# Altium PCB RK_NVR_DEMO1_RK3588_LP4XD200P232SD8_V21_20211228_final_lint.PcbDoc (part 12 of 29)
Units mm, origin at the board's own origin, x right, y up, seen from the top; angles counter-clockwise.
Board outline 170.08 x 169.98 mm, 8 copper layers (TOP, L2-GND1, L3-POWER1, L4-S1, L5-GND2, L6-S2, L7-GND3, BOTTOM), stack 2.118 mm thick; 1650 components, 1119 nets, 6165 pads, 15417 vias.
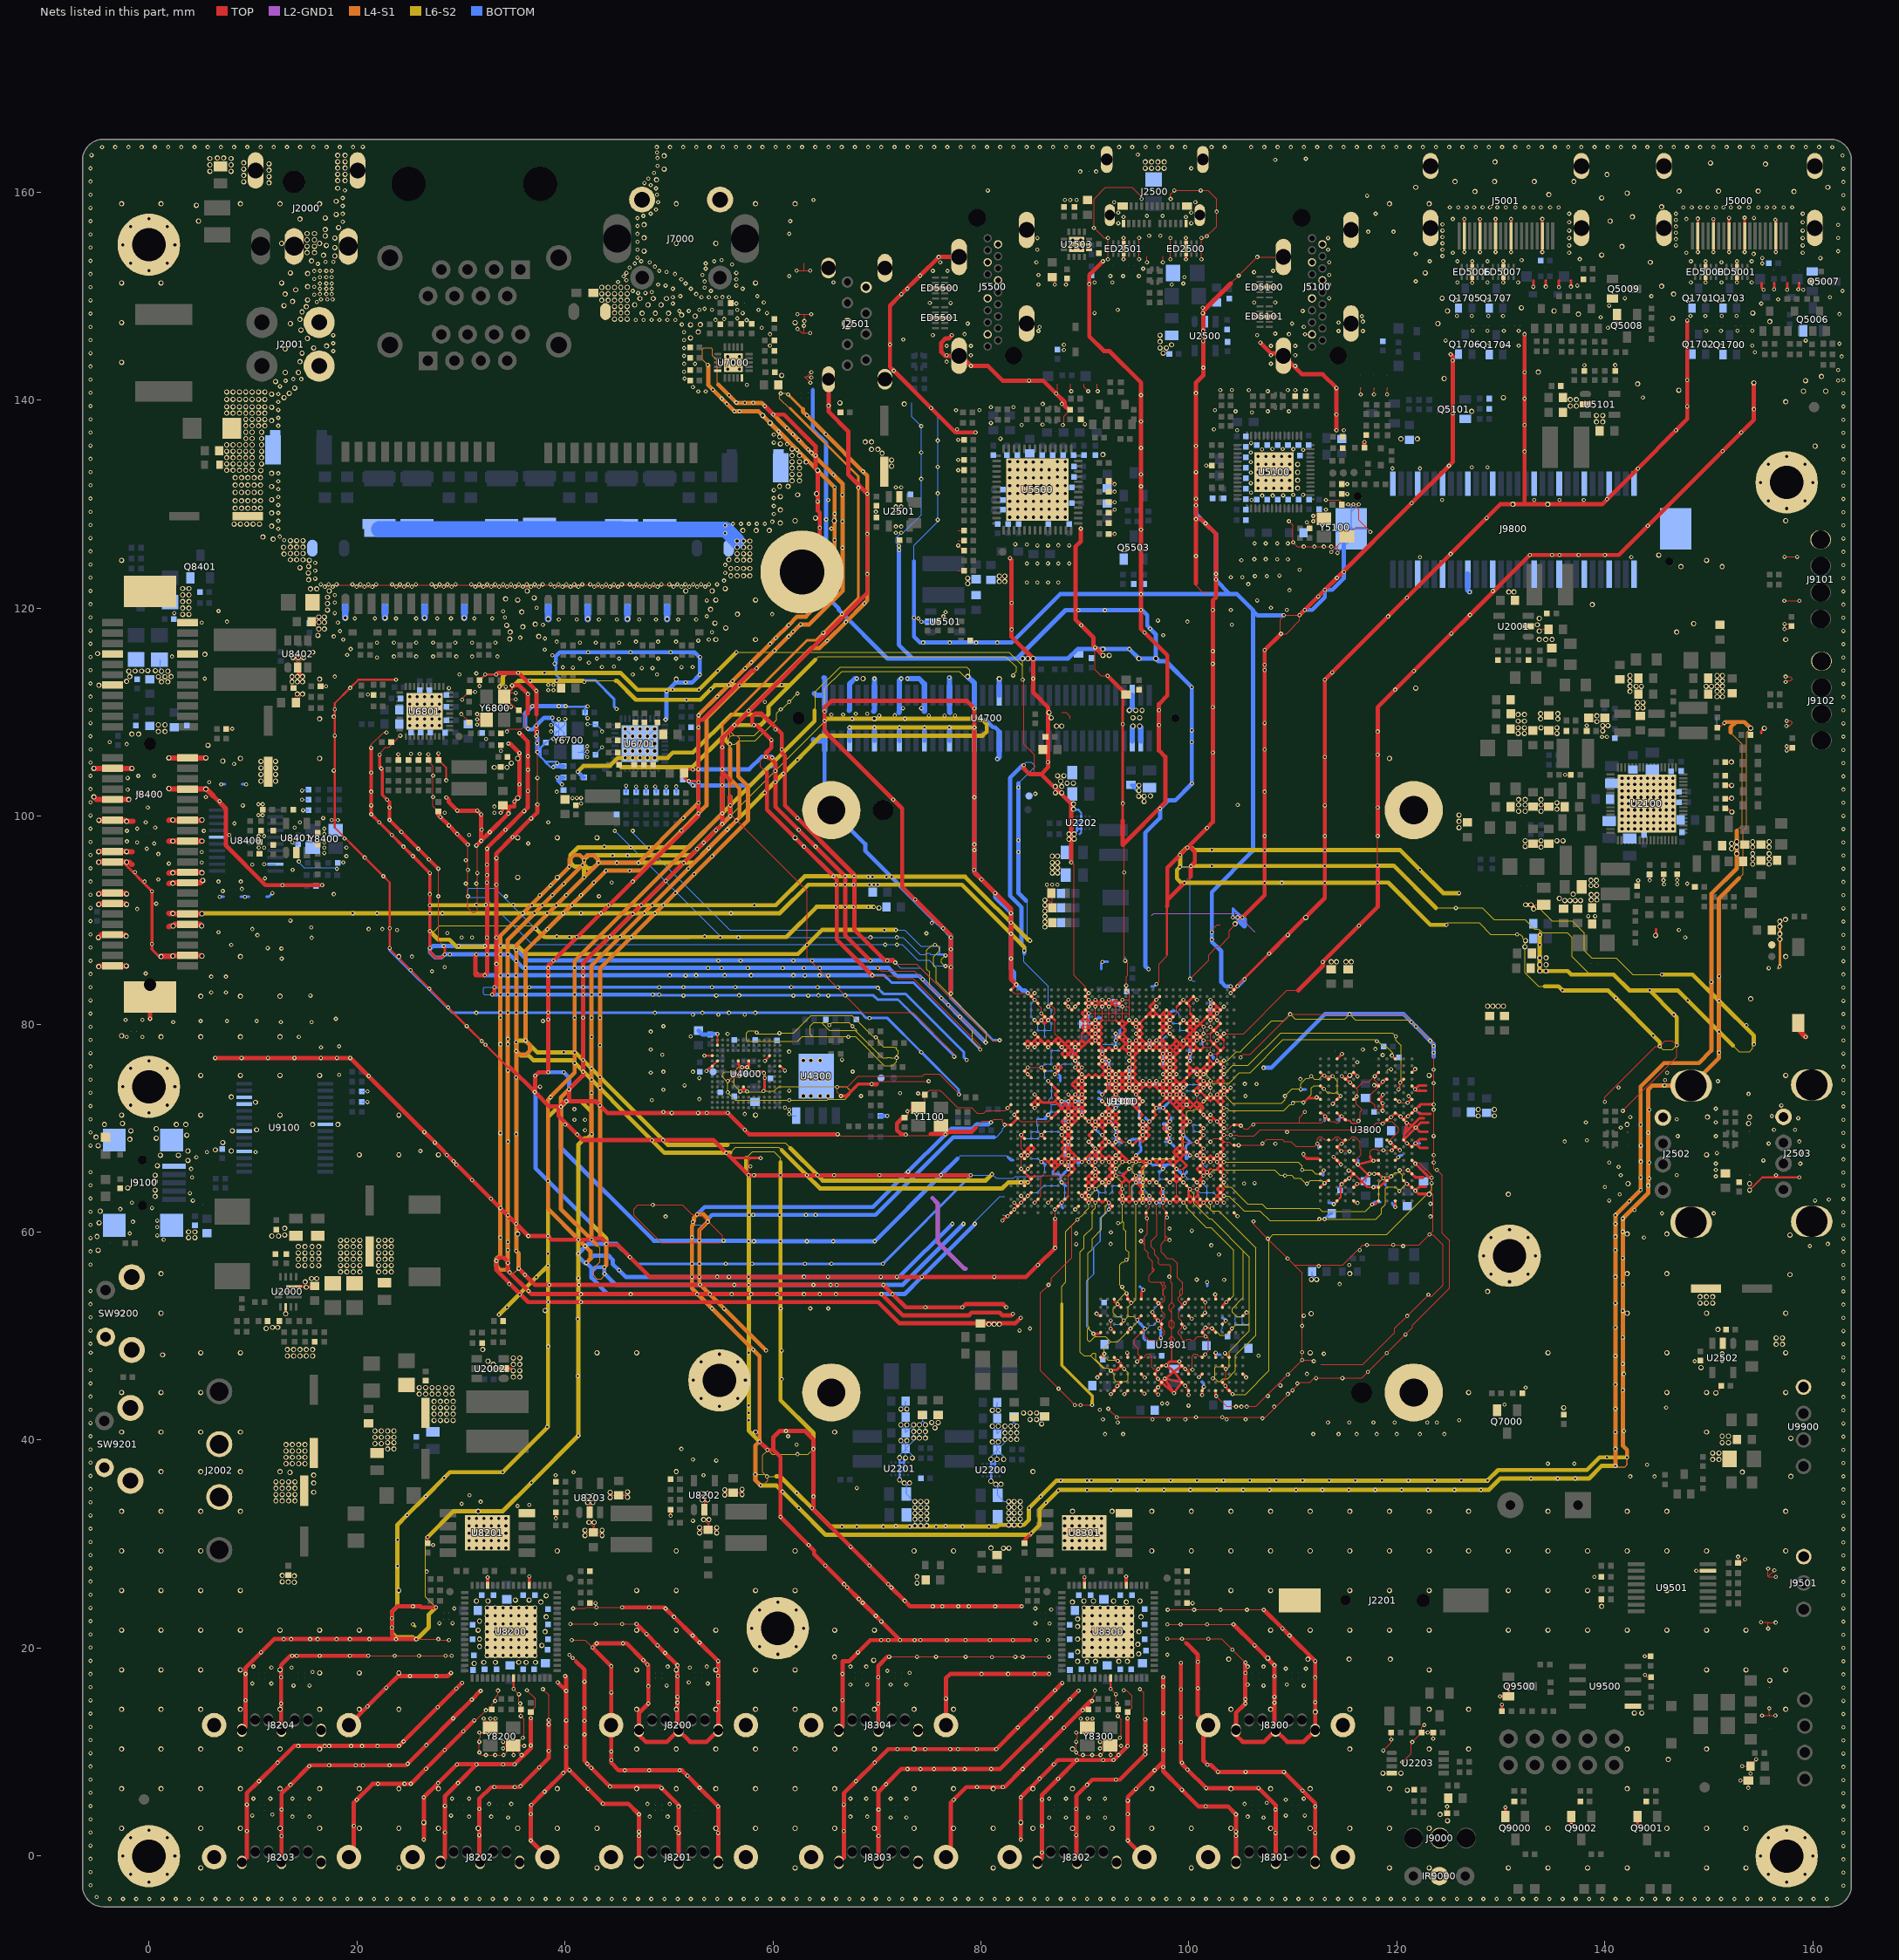
[diagram p18: the nets of this part, all layers, seen from the top]

## Via types
v1: diameter 0.4, hole 0.2, TOP to BOTTOM, 1688 vias
v2: diameter 0.4/0.4 (per signal layer), hole 0.2, TOP to L2-GND1, 1605 vias
v3: diameter 0/0/0/0/0/0/0/0.4 (per signal layer), hole 0.2, TOP to BOTTOM, 1253 vias
v4: diameter 0.4/0/0/0/0/0/0/0 (per signal layer), hole 0.2, TOP to BOTTOM, 1253 vias
v5: diameter 0.5, hole 0.3, TOP to BOTTOM, 857 vias
v6: diameter 0.4/0.4/0.4/0.4/0.4 (per signal layer), hole 0.2, L4-S1 to BOTTOM, 836 vias
v7: diameter 0/0/0/0/0/0/0/0.5 (per signal layer), hole 0.3, TOP to BOTTOM, 772 vias
v8: diameter 0.5/0/0/0/0/0/0/0 (per signal layer), hole 0.3, TOP to BOTTOM, 772 vias
v9: diameter 0.5/0.5 (per signal layer), hole 0.3, TOP to L2-GND1, 766 vias
v10: diameter 0.4/0.4 (per signal layer), hole 0.2, L7-GND3 to BOTTOM, 611 vias
v11: diameter 0.4/0.4/0.4/0.4 (per signal layer), hole 0.2, L5-GND2 to BOTTOM, 579 vias
v12: diameter 0.4 (per signal layer), hole 0.2, L6-S2 to L6-S2, 535 vias
v13: diameter 0.5/0.5/0.5/0.5/0.5 (per signal layer), hole 0.3, L4-S1 to BOTTOM, 457 vias
v14: diameter 0.5/0.5/0.5/0.5 (per signal layer), hole 0.3, L5-GND2 to BOTTOM, 455 vias
v15: diameter 0.4 (per signal layer), hole 0.2, L5-GND2 to L5-GND2, 418 vias
v16: diameter 0.5/0.5/0.5 (per signal layer), hole 0.3, TOP to L3-POWER1, 306 vias
v17: diameter 0.4 (per signal layer), hole 0.2, L4-S1 to L4-S1, 300 vias
v18: diameter 0.4/0.4/0.4 (per signal layer), hole 0.2, TOP to L3-POWER1, 287 vias
v19: diameter 0.5 (per signal layer), hole 0.3, L3-POWER1 to L3-POWER1, 242 vias
v20: diameter 0.5 (per signal layer), hole 0.3, L4-S1 to L4-S1, 240 vias
v21: diameter 0.5/0.5 (per signal layer), hole 0.3, L7-GND3 to BOTTOM, 192 vias
v22: diameter 0.5 (per signal layer), hole 0.3, L6-S2 to L6-S2, 166 vias
v23: diameter 0.4/0.4/0.4/0.4/0.4 (per signal layer), hole 0.2, TOP to L5-GND2, 134 vias
v24: diameter 0.5 (per signal layer), hole 0.3, L5-GND2 to L5-GND2, 114 vias
v25: diameter 0.5/0.5 (per signal layer), hole 0.3, L3-POWER1 to L4-S1, 111 vias
v26: diameter 0.4 (per signal layer), hole 0.2, L3-POWER1 to L3-POWER1, 93 vias
v27: diameter 0.4/0.4 (per signal layer), hole 0.2, L4-S1 to L5-GND2, 59 vias
v28: diameter 0.4/0.4/0/0/0.4/0/0.4/0.4 (per signal layer), hole 0.2, TOP to BOTTOM, 56 vias
v29: diameter 0.4/0/0/0.4/0/0/0/0.4 (per signal layer), hole 0.2, TOP to BOTTOM, 51 vias
v30: diameter 0.5/0.5 (per signal layer), hole 0.3, L4-S1 to L5-GND2, 46 vias
v31: diameter 0.4/0/0/0/0/0.4/0/0.4 (per signal layer), hole 0.2, TOP to BOTTOM, 42 vias
v32: diameter 0.5/0.5/0.5/0.5/0.5 (per signal layer), hole 0.3, TOP to L5-GND2, 32 vias
v33: diameter 0.4/0.4 (per signal layer), hole 0.2, L3-POWER1 to L4-S1, 29 vias
v34: diameter 0.4/0/0.4/0/0/0/0/0.4 (per signal layer), hole 0.2, TOP to BOTTOM, 29 vias
v35: diameter 0.4/0.4/0/0/0.4/0.4/0.4/0.4 (per signal layer), hole 0.2, TOP to BOTTOM, 21 vias
v36: diameter 0.5/0.5/0.5/0/0.5/0.5/0.5/0.5 (per signal layer), hole 0.3, TOP to BOTTOM, 4 vias
v37: diameter 0.5/0.5/0/0.5/0.5/0.5/0.5/0.5 (per signal layer), hole 0.3, TOP to BOTTOM, 3 vias
v38: diameter 0.4/0/0.4/0.4/0/0/0/0.4 (per signal layer), hole 0.2, TOP to BOTTOM, 2 vias
v39: diameter 0.4/0.4/0.4/0/0.4/0/0.4/0.4 (per signal layer), hole 0.2, TOP to BOTTOM, 1 vias

## Nets (pads, with @x,y where several pads share a name; then routed paths per layer and width w, separated by ;. In a path a pad name is that pad's centre, name@x,y a point inside that pad or via, vN(x,y) a via of type N, cw(c..) or ccw(c..) an arc to the next point about the centre after c; other vN are vias at no path point) (continued)
GND: (continued)
  TOP w0.254: U1000.Y9@99.141,74.206 99.465,74.531 ; U1000.AE9@99.141,77.456 99.452,77.768 ; 99.141,78.105 v2(99.466,78.43) ; 99.141,78.105 99.452,77.793 99.452,77.768 ; 99.149,72.272 99.458,72.581 99.465,72.581 ; 99.149,72.272 99.48,71.942 ; 99.452,77.768 U1000.AF8@99.791,78.106 ; 99.466,69.981 U1000.P9@99.141,70.306 99.465,70.631 ; 99.466,69.981 U1000.P8@99.791,70.306 ; 99.465,70.631 U1000.R8@99.791,70.956 99.465,71.281 ; 99.465,70.631 U1000.P8@99.791,70.306 ; 99.465,72.581 99.784,72.262 v2@99.784,72.25 ; 99.465,72.581 U1000.V8@99.791,72.906 ; v2(99.465,73.231) U1000.V8@99.791,72.906 ; v2(99.465,73.881) U1000.Y8@99.791,74.206 99.465,74.531 ; 99.465,74.531 U1000.AA8@99.791,74.856 100.115,75.181 ; v2(99.466,78.43) U1000.AF8@99.791,78.106 ; v2(99.466,78.43) 99.784,78.749 ; 99.48,71.942 v2(99.784,72.247) ; v2(99.784,72.247) v2@99.784,72.25 ; v2(99.784,72.247) 100.109,71.922 100.117,71.922 100.44,72.245 100.44,72.256 ; v2@99.784,72.25 100.116,72.581 ; 99.784,78.749 100.116,79.081 ; 99.784,78.749 100.103,78.431 100.115,78.431 ; U1000.C8@99.791,63.156 99.966,63.331 99.966,63.564 ; U1000.C8@99.791,63.156 100.115,62.831 U1000.C7@100.44,63.156 ; U1000.V8@99.791,72.906 100.116,72.581 ; U1000.AF8@99.791,78.106 100.116,77.781 ; U1000.AJ8@99.791,80.056 100.115,80.381 ; U1000.AJ8@99.791,80.056 100.116,79.731 ; 99.966,63.564 100.032,63.564 U1000.C7@100.44,63.156 ; 100.116,72.581 100.44,72.256 ; 100.115,75.181 U1000.AB8@99.791,75.506 100.115,75.831 ; 100.115,75.181 U1000.AB7@100.44,75.506 ; 100.115,75.831 U1000.AB7@100.44,75.506 ; 100.116,77.781 U1000.AE7@100.44,77.456 ; 100.116,77.781 U1000.AF7@100.44,78.106 ; 100.115,78.431 U1000.AG7@100.44,78.756 ; 100.115,78.431 U1000.AF7@100.44,78.106 ; 100.116,79.081 U1000.AG7@100.44,78.756 ; 100.116,79.081 U1000.AH8@99.791,79.405 100.115,79.731 ; 100.116,79.731 100.441,79.405 ; 100.115,79.731 U1000.AJ7@100.44,80.056 ; 100.115,80.381 U1000.AK7@100.44,80.706 ; 100.115,80.381 U1000.AJ7@100.44,80.056 ; 100.44,72.256 100.752,71.944 ; 100.44,72.256 100.765,72.581 101.077,72.269 ; U1000.AB7@100.44,75.506 100.765,75.831 U1000.AB6@101.091,75.506 ; U1000.AB7@100.44,75.506 v2(100.765,75.181) ; U1000.AF7@100.44,78.106 v2(100.765,78.431) ; U1000.AG7@100.44,78.756 v2(100.766,79.081) ; U1000.AG7@100.44,78.756 v2(100.765,78.431) ; 100.441,79.405 v2(100.766,79.081) ; U1000.AJ7@100.44,80.056 v2(100.765,80.381) ; U1000.AJ7@100.44,80.056 100.766,79.731 101.09,80.056 ; U1000.AK7@100.44,80.706 v2(100.765,80.381) ; 100.752,71.944 U1000.T6@101.091,71.606 ; 100.752,71.944 101.077,72.269 ; v2(100.765,64.781) 101.087,65.102 ; v2(100.765,64.781) U1000.E6@101.091,64.456 v2(100.766,64.131) 100.855,64.042 100.855,63.564 100.855,63.392 U1000.C6@101.091,63.156 ; 100.765,73.881 U1000.W7@100.44,73.556 v2(100.765,73.231) U1000.W6@101.091,73.556 100.765,73.881 ; 100.765,73.881 U1000.Y6@101.091,74.206 ; v2(100.765,75.181) U1000.AA6@101.091,74.856 ; v2(100.765,78.431) U1000.AG6@101.091,78.756 ; v2(100.766,79.081) U1000.AG6@101.091,78.756 ; v2(100.765,80.381) 101.09,80.056 ; 101.077,72.269 101.415,71.931 U1000.T6@101.091,71.606 ; 101.077,72.269 101.104,72.269 v2(101.416,72.581) U1000.V5@101.741,72.906 ; 101.087,65.102 v2(101.416,65.431) U1000.G6@101.091,65.756 ; U1000.C6@101.091,63.156 100.766,62.831 101.09,62.506 v2(101.416,62.831) ; U1000.C6@101.091,63.156 v2(101.416,62.831) ; U1000.G6@101.091,65.756 101.416,66.081 ; U1000.G6@101.091,65.756 101.075,65.756 100.758,66.073 U1000.H6@101.091,66.406 ; U1000.H6@101.091,66.406 101.416,66.081 ; U1000.K6@101.091,67.705 v2(101.416,67.381) ; U1000.K6@101.091,67.705 v2(100.766,67.381) U1000.J6@101.091,67.055 v2(101.416,66.731) U1000.J5@101.741,67.055 v2(101.416,67.381) ; U1000.T6@101.091,71.606 v2(101.416,71.281) U1000.R5@101.741,70.956 ; U1000.Y6@101.091,74.206 100.766,74.531 U1000.AA6@101.091,74.856 ; U1000.AA6@101.091,74.856 v2(101.416,74.531) U1000.Y5@101.741,74.206 ; U1000.AA6@101.091,74.856 v2(101.419,75.184) ; U1000.AB6@101.091,75.506 101.098,75.506 v2(101.419,75.184) ; U1000.AB6@101.091,75.506 101.424,75.839 ; 101.091,80.056 U1000.AK5@101.741,80.706 ; v2(101.416,62.831) U1000.C5@101.741,63.156 v2(102.066,62.831) 102.39,63.156 102.712,63.477 ; v2(101.416,73.881) U1000.W6@101.091,73.556 U1000.V5@101.741,72.906 ; v2(101.416,73.881) U1000.Y5@101.741,74.206 ; v2(101.419,75.184) U1000.AB5@101.741,75.506 ; 101.424,75.839 U1000.AC5@101.741,76.156 ; 101.424,75.839 101.741,75.523 U1000.AB5@101.741,75.506 ; U1000.R5@101.741,70.956 v2(102.066,71.281) 102.39,70.956 ; U1000.R5@101.741,70.956 v2(102.066,70.631) 102.39,70.956 ; U1000.V5@101.741,72.906 102.066,72.581 U1000.V4@102.391,72.906 ; U1000.V5@101.741,72.906 v2(102.066,73.231) U1000.V4@102.391,72.906 ; U1000.AB5@101.741,75.506 102.066,75.831 U1000.AC5@101.741,76.156 ; U1000.AC5@101.741,76.156 102.066,76.481 ; U1000.AK5@101.741,80.706 102.066,81.031 ; U1000.AK5@101.741,80.706 v2(102.066,80.381) U1000.AK4@102.391,80.706 ; 102.066,76.481 U1000.AC4@102.391,76.156 ; 102.066,81.031 U1000.AL5@101.741,81.356 v2(102.066,81.681) ; 102.066,81.031 U1000.AK4@102.391,80.706 ; v2(102.066,81.681) U1000.AM4@102.391,82.005 ; v2(102.066,81.681) U1000.AL4@102.391,81.356 v2(102.716,81.031) ; U1000.J4@102.391,67.055 v2(102.716,67.381) ; U1000.J4@102.39,67.055 v2(102.066,66.731) U1000.J5@101.741,67.055 102.066,67.38 U1000.J4@102.391,67.055 ; U1000.V4@102.391,72.906 102.712,72.584 ; U1000.V4@102.391,72.906 v2(102.716,73.231) ; U1000.AC4@102.391,76.156 v2(102.716,76.481) U1000.AC3@103.041,76.156 ; U1000.AH4@102.391,79.405 v2(102.716,79.08) U1000.AG3@103.041,78.756 ; U1000.AH4@102.391,79.405 U1000.AJ3@103.041,80.056 v2(102.716,80.381) U1000.AK4@102.391,80.706 ; U1000.AK4@102.391,80.706 v2(102.716,81.031) ; U1000.AM4@102.391,82.006 102.716,81.681 ; 102.712,63.477 103.034,63.156 U1000.C3@103.041,63.156 ; 102.712,63.477 U1000.D3@103.041,63.806 ; 102.712,72.584 U1000.U3@103.041,72.256 ; 102.712,72.584 103.034,72.906 U1000.V3@103.04,72.906 ; v2(102.716,66.731) 103.04,67.055 v2(103.366,66.731) U1000.H3@103.041,66.406 ; v2(102.716,66.731) U1000.H3@103.041,66.406 ; v2(102.716,73.231) U1000.W3@103.041,73.556 ; v2(102.716,73.231) U1000.V3@103.04,72.906 ; v2(102.716,81.031) 103.04,81.356 102.716,81.681 ; v2(102.716,67.381) U1000.J3@103.041,67.055 v2(103.366,67.381) U1000.K3@103.041,67.705 ; v2(102.716,67.381) U1000.K3@103.041,67.705 ; U1000.C3@103.041,63.156 v2(103.366,63.481) U1000.D3@103.041,63.806 ; U1000.D3@103.041,63.806 102.716,64.13 U1000.E3@103.041,64.456 103.366,64.131 U1000.D3@103.041,63.806 ; U1000.G3@103.041,65.756 103.366,66.081 U1000.H3@103.041,66.406 ; U1000.G3@103.041,65.756 102.716,66.081 U1000.H3@103.041,66.406 ; U1000.P3@103.041,70.306 v2(103.366,70.631) U1000.R3@103.041,70.956 v2(102.716,70.631) U1000.P3@103.041,70.306 ; U1000.U3@103.041,72.256 103.366,72.581 U1000.V3@103.041,72.906 ; U1000.V3@103.041,72.906 v2(103.366,73.231) ; U1000.W3@103.041,73.556 v2(103.366,73.881) ; U1000.W3@103.041,73.556 v2(103.366,73.231) ; U1000.AA3@103.041,74.856 102.716,74.531 U1000.Y3@103.041,74.206 103.366,74.531 U1000.AA3@103.041,74.856 ; U1000.AA3@103.041,74.856 v2(103.366,75.181) U1000.AB3@103.041,75.506 v2(103.366,75.831) U1000.AC3@103.041,76.156 ; v2(103.366,73.231) U1000.W2@103.691,73.556 ; v2(103.366,73.881) U1000.W2@103.691,73.556 ; 120.776,69.556 U3800.N11@120.641,68.856 v2(121.81,70.041) ; 120.776,69.556 120.956,70.485 v2(120.941,70.508) ; v2(120.941,70.508) 120.949,70.503 120.995,70.515 v2(121.81,70.041) ; v2(87.116,75.831) U1000.AC27@87.441,76.156 87.766,75.83 U1000.AB27@87.441,75.506 v2(87.116,75.831)
  TOP w0.305: U8402.2@14.316,114.289 14.316,113.882 v16(14.774,113.424) ; v18(21.366,106.561) v18(21.366,104.178) v18(21.366,102.35) v2(21.366,101.029) v2(21.366,100.177) v2(22.14,99.403) v2(23.359,98.184) v2(24.477,97.066) v2(25.391,96.152) v2(27.017,94.526) v2(27.017,92.494) v2(27.017,91.434) v2(27.017,90.662) v2(27.017,88.938) v2(27.017,87.313) ; v1(22.179,105.906) 22.179,104.744 v1(22.341,104.582) 22.445,104.478 22.445,102.045 v2(22.902,101.588) 23.135,101.355 v2(23.135,100.823) v2(23.135,99.637) v2(27.83,94.942) ; C8228.2@26.79,30.079 v1(26.79,30.671) ; U8200.13@32.565,26.028 v18(32.565,26.81) ; U8200.5@36.565,26.028 v18(36.565,26.889) ; v2(66.539,73.089) 67.073,73.089 68.216,74.232 v2(69.486,74.232) ; C8326.2@84.194,30.079 84.194,30.393 v2(84.853,31.052) ; U8300.13@89.969,26.028 v18(89.969,26.81) ; U8300.5@93.969,26.028 v18(93.969,26.889) ; v2(129.906,15.363) Q9500.2@130.722,15.363 v2(130.722,16.244) ; R9510.2@130.1,13.921 v2(130.1,14.56) ; Q9000.2@130.427,3.801 v1(130.427,4.687) ; v1(136.777,2.985) Q9002.2@136.777,3.801 ; v1(143.127,2.858) Q9001.2@143.127,3.801
  TOP w0.406: v1(0.105,80.517) J8400.2@0.105,82.6 ; 6.207,101.925 7.408,100.724 7.408,97.168 11.213,93.363 v2(12.832,93.363) v2(16.664,93.363) ; v2(6.367,76.746) v2(8.907,76.746) v2(11.447,76.746) v2(13.987,76.746) v2(16.527,76.746) v2(18.076,76.746) v2(19.357,76.746) v2(26.489,69.615) v2(27.497,68.607) v2(29.293,66.811) v2(31.089,65.015) v2(32.885,63.219) v1(36.477,59.627) v1(38.371,59.627) 38.726,59.271 v1(41.292,59.271) v1(42.562,59.271) 42.663,59.373 43.578,59.373 43.984,58.966 v1(43.984,58.865) 44.086,58.763 45.076,58.763 v1(46.245,57.595) 48.15,55.69 v1(52.214,55.69) v1(52.925,55.69) v1(55.77,55.69) v1(57.675,55.69) v1(65.295,55.69) v2(70.375,55.69) v2(71.924,55.69) v2(74.312,55.69) v2(81.271,55.69) 84.345,55.69 v2(85.488,56.833) v2(87.139,58.484) v2(87.139,61.278) ; J8203.7@8.941,-0.605 9.415,-0.131 v1(9.415,2.409) v1(9.415,4.949) 9.415,6.033 v1(10.585,7.203) v1(12.381,8.999) 13.975,10.593 v1(14.359,10.593) v1(16.899,10.593) v1(17.34,10.593) v1(19.439,10.593) v1(20.489,10.593) v1(21.979,10.593) v1(24.051,10.593) v1(24.482,11.024) v2(27.775,14.317) v18(29.571,16.113) v18(30.112,16.654) ; J8204.7@8.941,12.095 9.288,12.442 v1(9.288,14.982) v1(9.288,17.522) 9.288,18.098 v1(10.773,19.583) 12.056,20.866 v1(12.964,20.866) v1(13.682,20.866) v2(15.504,20.866) v2(16.222,20.866) v2(18.044,20.866) v2(19.321,20.866) v2(21.2,20.866) v2(23.766,20.866) ; v1(12.751,-0.605) v1(12.751,1.935) v1(12.751,4.475) 12.751,5.991 v1(13.621,6.861) v1(15.417,8.657) 15.498,8.738 v1(17.34,8.738) v1(19.88,8.738) v1(20.591,8.738) v1(23.131,8.738) 24.744,8.738 v1(24.883,8.878) v2(26.679,10.674) v2(29.252,13.246) v18(31.048,15.042) v18(31.894,15.888) ; J8204.4@12.751,12.095 12.717,12.129 v1(12.717,14.669) v1(12.717,17.209) 12.717,18.377 13.606,19.266 v1(13.784,19.266) v1(14.206,19.266) v1(16.425,19.266) v2(19.321,19.266) v2(21.099,19.266) ; J8203.8@19.231,-0.105 19.702,0.366 v1(19.702,2.906) 19.702,5.144 v1(19.988,5.43) 21.505,6.947 v1(22.024,6.947) v1(24.564,6.947) v1(25.188,6.947) v1(26.645,8.404) v2(28.441,10.2) v2(30.237,11.996) v2(31.284,13.043) ; J8204.8@19.231,12.595 v1(21.027,14.391) v2(22.823,16.187) 23.946,17.31 v2(25.101,17.31) v2(27.641,17.31) 28.744,17.31 v18(29.049,17.615) ; v1(25.696,20.866) v2(23.766,20.866) ; v1(26.433,1.588) v5(26.433,3.239) v1(26.433,5.652) v1(27.812,7.031) v2(29.608,8.827) v2(31.513,8.827) ; v1(27.601,23.914) 26.204,23.914 26.103,24.016 v23(25.391,24.016) 23.867,24.016 23.359,23.508 v1(23.359,22.861) v1(23.359,21.984) 23.359,21.273 v2(23.766,20.866) ; C6823.2@27.83,100.452 27.83,100.114 v2(28.033,99.911) v2(28.846,99.098) v2(29.659,98.286) v2(30.675,97.27) ; J8202.7@28.031,-0.605 28.465,-0.171 v1(28.465,2.281) v1(28.465,4.821) 28.465,5.779 v2(29.717,7.031) v2(31.513,8.827) ; v2(28.592,101.791) 28.846,101.537 28.846,101.334 v2(29.659,100.521) v2(31.589,100.521) v2(31.945,100.165) v2(31.945,97.625) ; v2(31.487,86.703) 31.398,86.614 31.398,84.728 31.432,84.694 v2(32.295,84.694) 32.516,84.914 v2(32.516,86.703) v2(32.516,94.323) v2(32.516,96.863) 32.516,96.915 v2(34.285,98.685) v2(36.081,100.481) 36.44,100.84 v2(36.44,102.426) v1(36.44,104.458) v1(36.44,105.753) 36.44,107.176 v1(35.628,107.988) ; v2(31.487,97.168) v2(31.945,97.625) ; J8202.4@31.841,-0.605 31.767,-0.531 v1(31.767,2.009) v1(31.767,4.549) 31.767,5.499 32.91,6.642 v2(33.205,6.642) v2(35.178,6.642) 35.653,6.642 v2(35.744,6.733) v2(37.54,8.529) 38.447,9.436 v2(38.447,10.115) v1(38.447,12.655) v1(38.447,13.094) ; v2(33.011,82.842) 33.215,83.046 v2(33.215,83.551) 33.418,83.754 v2(33.418,85.789) v2(33.418,88.329) v2(33.418,93.409) v2(33.418,95.949) 33.418,96.43 v2(34.957,97.969) v2(36.753,99.765) 37.355,100.367 v2(37.355,101.13) ; v1(33.392,113.611) 33.561,113.78 v1(35.506,113.78) 35.526,113.78 v1(37.253,112.052) 37.253,109.766 ; v1(34.563,106.972) 34.713,106.972 v1(35.628,106.058) v2(35.628,103.061) 35.628,101.889 v2(35.148,101.41) 35.148,100.91 34.574,100.91 v2(34.574,100.255) v2(32.778,98.459) v2(31.945,97.625) ; 34.739,75.832 v2(37.101,73.47) ; v1(34.916,112.56) 34.951,112.595 35.561,112.595 36.44,111.716 36.44,109.868 ; v2(35.551,56.49) v2(36.148,55.893) 37.113,54.928 v1(38.498,54.928) v1(41.343,54.928) v1(56.278,54.928) v1(57.675,54.928) v1(63.898,54.928) v1(65.546,54.928) v2(70.626,54.928) v2(71.516,54.037) 72.785,52.769 v2(74.667,52.769) v2(78.223,52.769) 78.528,53.074 82.135,53.074 v2(82.44,52.769) ; v1(36.72,13.272) v2(36.72,10.641) 36.72,10.387 v2(35.159,8.827) v2(34.053,8.827) v2(31.513,8.827) ; v1(37.253,107.684) v1(37.253,108.7) ; J8202.8@38.321,-0.105 v1(36.72,1.496) v1(36.72,4.036) 36.72,4.864 v1(36.77,4.915) v2(38.053,6.198) v2(39.849,7.994) 40.123,8.268 40.123,8.563 ; v18(39.311,16.701) v23(40.123,15.888) ; v18(40.022,17.31) 40.123,17.209 v23(40.123,15.888) ; 41.057,18.733 41.883,17.907 v1(41.883,16.77) v1(41.883,14.23) v1(41.883,13.005) v1(41.883,11.69) 41.883,9.15 v2(42.155,8.878) v2(42.544,8.489) v2(44.34,6.693) 49.14,6.693 v2(49.293,6.541) 50.931,4.902 v1(50.931,4.763) v1(50.931,2.223) J8201.4@50.931,-0.605 ; v2(45.508,23.914) v2(48.109,23.914) 49.572,23.914 v2(49.674,23.813) v2(50.481,23.005) v23(52.277,21.209) v23(52.945,20.541) v23(54.741,18.745) v23(54.741,17.336) v23(54.741,14.796) J8200.1@54.741,12.095 53.632,10.986 52.04,10.986 J8200.4@50.931,12.095 ; v2(46.88,22.314) v18(47.849,21.345) 48.912,20.282 v1(48.912,20.257) v1(49.632,19.536) v23(50.817,18.352) v23(50.817,17.289) v1(50.817,15.304) v1(50.817,14.749) 50.817,12.209 J8200.4@50.931,12.095 ; J8201.7@47.121,-0.605 v1(47.121,1.935) v1(47.121,2.35) v1(47.121,4.013) 46.097,5.037 v1(43.649,5.037) v2(42.224,6.462) v2(40.428,8.258) 40.123,8.563 ; J8201.1@54.741,-0.605 v1(54.741,2.223) v1(54.741,4.775) v2(52.945,6.571) v2(51.782,7.735) 51.269,8.247 v2(51.036,8.247) v2(48.099,8.247) v2(45.762,8.247) 45.183,8.247 44.451,8.979 v2(44.451,9.233) v2(44.451,10.055) J8200.9@44.451,12.595 v1(44.451,15.727) 44.451,18.266 v1(44.449,18.267) v1(42.653,20.063) v1(43.05,20.46) v1(45.59,20.46) 45.915,20.46 v1(47.541,18.834) v1(47.947,18.428) 48.023,18.352 v1(48.023,16.34) v1(48.023,14.669) 47.121,13.767 J8200.7@47.121,12.095 47.121,11.633 47.769,10.986 49.822,10.986 J8200.4@50.931,12.095 ; v2(55.897,100.013) v2(55.897,101.029) 55.897,101.918 ; 55.897,103.442 55.135,104.204 ; v2(58.435,114.213) 58.205,113.983 57.954,113.983 53.23,109.258 52.849,109.258 v2(52.849,108.522) 52.849,103.797 52.823,103.772 52.849,103.747 v2(52.849,103.264) v2(52.849,101.283) v2(52.849,100.267) 52.849,100.038 v2(46.524,93.714) 38.929,86.119 v2(38.904,86.119) 38.904,86.094 38.396,85.586 v2(38.396,85.408) v2(38.396,84.671) v2(38.396,82.842) v2(38.396,81.115) v2(38.396,80.455) v1(38.396,75.375) 37.482,75.375 v2(37.142,75.035) 37.142,73.511 v2(37.101,73.47) ; v2(58.716,39.866) 59.504,39.078 v2(59.478,39.053) 60.037,39.053 ; v1(59.224,139.434) v1(60.037,138.621) 61.053,138.621 64.101,135.573 v1(64.101,134.658) 64.101,133.439 v5(64.304,133.236) v2(64.304,130.254) 64.304,129.375 64.507,129.172 v2(64.507,127.722) 64.507,125.182 SMTSO9900.1@62.803,123.477 ; 59.427,104.178 59.427,100.623 v2(62.983,97.067) v2(65.828,94.222) 66.133,93.917 66.133,88.116 v2(69.556,84.694) 69.565,84.694 v2@69.613,84.646 ; v1(65.353,142.008) v1(65.353,139.468) 65.353,138.892 67.251,136.995 67.251,132.83 v2(69.079,131.001) 69.079,121.45 55.135,107.505 v2(55.135,106.617) v2(55.135,104.509) 55.135,104.204 ; v2(66.235,69.406) 57.726,69.406 v2(57.3,69.832) v2(55.668,71.463) v2(52.813,71.463) v1(50.273,71.463) 44.086,71.463 v1(43.375,72.174) 42.968,72.581 v1(40.149,72.581) ; J8303.7@66.345,-0.605 66.819,-0.131 v1(66.819,2.409) v1(66.819,4.949) 66.819,6.033 v2(67.989,7.203) v2(69.785,8.999) 71.074,10.288 v2(71.974,10.288) v2(74.642,10.288) v2(77.054,10.288) v2(77.792,10.288) v2(79.594,10.288) v2(81.475,10.288) v18(83.545,12.359) v18(85.341,14.155) 85.395,14.209 85.395,14.221 v18(87.131,15.957) v18(87.825,16.65) ; J8304.7@66.345,12.095 66.692,12.442 v23(66.692,14.982) v23(66.692,17.522) 66.692,18.733 67.327,18.733 v1(68.177,19.583) 69.359,20.765 v1(70.425,20.765) v1(71.086,20.765) v1(72.229,20.765) ; v2(69.384,86.116) 66.946,88.554 v2(66.946,91.275) v2(66.946,93.409) v2(66.946,94.222) 60.24,100.927 v2(60.24,103.264) v2(60.24,104.356) 60.24,105.093 59.732,105.601 59.58,105.601 59.478,105.702 v2(59.326,105.702) 59.326,106.049 59.847,106.571 v2(59.847,107.314) 58.411,108.75 v2(58.183,108.75) 58.005,108.928 58.005,109.563 58.31,109.868 58.885,109.868 60.85,107.903 v2(60.85,106.414) 60.85,106.109 61.155,105.804 61.155,101.029 67.835,94.349 67.835,94.247 v2(67.809,94.222) 67.835,94.222 67.847,94.209 67.847,89.053 70.784,86.116 v2(71.01,86.116) 71.572,86.116 v2(71.772,85.916) ; v2(69.486,74.232) 69.994,74.232 ; v2(70.095,85.405) v2@70.121,85.379 ; J8303.4@70.155,-0.605 v1(70.155,1.935) v1(70.155,4.475) 70.155,6.194 v2(70.872,6.911) 72.343,8.382 v2(72.943,8.382) v2(74.185,8.382) v2(75.483,8.382) v2(77.436,8.382) v2(78.441,8.382) v2(80.981,8.382) 81.861,8.382 86.754,13.275 v18(88.55,15.071) v18(89.383,15.904) ; J8304.4@70.155,12.095 70.121,12.129 v23(70.121,14.669) v23(70.121,17.209) 70.121,18.276 71.01,19.165 v1(71.188,19.165) ; C1102.2@72.661,70.999 72.476,70.999 71.924,70.447 71.924,69.812 72.331,69.406 v1@72.762,69.406 ; 75.175,69.431 76.699,69.431 76.903,69.634 79.112,69.634 79.519,70.041 ; J8303.8@76.635,-0.105 77.106,0.366 77.106,5.144 v1(77.392,5.43) 78.604,6.642 v2(79.623,6.642) v2(82.102,6.642) 82.287,6.642 v2(84.02,8.375) v2(85.816,10.171) v18(87.977,12.332) 90.568,14.923 v18(90.695,14.923) ; J8304.8@76.635,12.595 v23(76.635,15.135) 76.635,17.107 77.041,17.514 v23(80.066,17.514) v18(82.606,17.514) v18(85.146,17.514) v18(86.555,17.514) ; v2(77.112,82.944) v2(77.112,85.484) v2(77.112,88.329) 77.112,88.525 73.711,91.926 73.711,91.952 v2(73.686,91.977) 73.686,91.952 72.432,93.206 72.432,100.724 v2(71.567,101.589) 64.97,108.186 v2(64.97,109.157) v2(64.97,110.071) 64.97,110.432 65.625,111.087 78.633,111.087 v2(79.37,110.351) v2(79.37,108.522) v2(79.37,101.816) v2(79.37,97.279) v2(79.37,96.736) 79.37,94.599 82.891,91.078 v1(82.891,89.751) v2(82.891,88.684) v2(82.891,86.297) 82.891,84.322 v2(83.399,83.814) ; v1(77.207,146.241) 76.903,145.936 76.598,145.936 76.191,145.53 76.191,144.633 76.556,144.268 J5500.20@77.896,144.268 78.062,144.268 v1(79.036,143.295) 80.662,143.295 82.084,141.872 v2(84.624,141.872) 85.988,141.872 v2(87.237,140.624) 88.05,139.811 88.05,139.477 88.456,139.071 R5531.2@88.587,139.071 ; J5500.21@77.896,153.768 v1(75.941,153.768) v1(74.145,151.972) v1(72.349,150.176) 72.225,150.052 71.251,149.078 v1(71.251,145.346) 71.251,143.2 v2(71.618,142.833) v2(75.21,139.241) 77.557,136.894 v18(79.486,136.894) ; v2(79.023,65.481) 79.011,65.469 v2(70.248,65.469) v1(65.879,65.469) v1(64.279,65.469) v1(63.263,65.469) v1(60.723,65.469) v23(58.183,65.469) v1(57.675,65.469) 56.024,67.12 v2(55.516,67.628) 54.3,68.843 41.727,68.843 v1(41.183,69.388) 39.387,71.184 39.387,72.073 ; v1(82.795,124.803) 82.948,124.651 v2(82.948,120.496) v2(82.948,117.956) 82.948,117.234 v9(85.031,115.151) v2(85.031,113.221) 85.031,111.9 86.453,110.478 v2(86.453,105.194) 86.453,104.686 85.793,104.026 ; v2(83.075,52.134) 82.922,51.981 82.084,51.981 81.805,52.261 79.112,52.261 78.833,51.981 72.508,51.981 70.451,54.039 v2(70.437,54.039) v1(66.057,54.039) v1(64.507,54.039) v1(62.983,54.039) v23(60.443,54.039) v23(57.903,54.039) v1(56.024,54.039) v1(53.941,54.039) v1(52.722,54.039) v1(46.321,54.039) v1(41.546,54.039) 36.785,54.039 v2(36.484,54.34) v2(34.688,56.136) 34.511,56.313 v2(34.511,57.036) 34.511,57.138 34.104,57.544 33.723,57.544 v2(33.418,57.239) 33.418,56.328 36.469,53.277 v2(38.396,53.277) v1(41.546,53.277) 70.121,53.277 72.153,51.245 83.329,51.245 v2(83.837,51.753) ; v1(83.837,1.588) v5(83.837,3.239) v1(83.837,5.652) v2(85.633,7.448) v2(87.012,8.827) 87.418,9.233 v2(89.222,9.233) ; v18(83.913,24.016) v2(81.373,24.016) v2(78.833,24.016) v2(76.293,24.016) v2(75.379,24.016) 73.207,24.016 v2(72.667,24.556) v2(71.397,25.826) v2(71.082,26.141) v2(69.286,27.937) v2(67.49,29.733) 63.898,33.325 v2(63.898,34.583) v2(63.898,39.154) 63.898,40.069 63.085,40.882 v2(61.256,40.882) 60.647,40.882 60.037,40.272 60.037,39.053 ; v2(84.116,104.89) 84.116,104.585 84.675,104.026 84.929,104.026 85.793,104.026 ; 84.726,20.765 v18(83.075,20.765) v1(78.503,20.765) v1(76.725,20.765) v1(74.185,20.765) v1(73.626,20.765) v1(72.229,20.765) ; J8302.7@85.435,-0.605 85.869,-0.171 v1(85.869,0.35) v1(85.869,2.89) v1(85.869,5.43) 85.869,5.88 v2(87.426,7.437) v2(89.222,9.233) ; v2(88.688,95.542) 88.688,101.156 85.818,104.026 85.793,104.026 ; J8302.4@89.245,-0.605 89.171,-0.531 v1(89.171,2.009) v1(89.171,4.549) 89.171,5.804 v2(90.226,6.859) 90.72,7.354 v2(92.988,7.354) 93.362,7.354 v2(95.8,9.792) v2(95.8,10.198) v2(95.8,10.605) v18(95.8,13.145) ; v2(89.603,127.648) 89.603,126.429 89.095,125.921 89.095,118.91 v2(89.644,118.361) 90.822,117.183 90.822,116.37 v2(90.987,116.205) v9(91.736,115.456) ; v1(91.736,153.353) 90.415,152.032 v18(90.415,151.171) 90.415,146.139 91.838,144.717 92.346,144.717 95.394,141.669 v2(95.394,140.483) v2(95.394,137.943) v2(95.394,135.403) v2(95.394,132.863) v2(95.394,119.825) 95.394,117.996 v2(95.743,117.647) 97.934,115.456 97.934,111.595 97.121,110.782 97.121,106.312 97.731,105.702 97.731,101.333 93.641,97.244 93.641,99.606 ; v2(92.175,113.504) C4700.2@93.971,111.708 ; v18(94.098,13.246) v2(94.098,10.579) v2(93.235,9.716) v2(92.752,9.233) v2(91.762,9.233) v2(89.222,9.233) ; J8302.8@95.725,-0.105 v1(94.124,1.496) v1(94.124,4.036) v1(94.124,5.322) 94.124,5.677 v2(94.901,6.454) v2(96.697,8.25) 97.527,9.081 ; v18(97.527,17.209) v18(97.527,16.294) v18(97.527,13.754) v2(97.527,10.198) 97.527,9.081 ; 97.889,91.332 97.934,91.377 97.934,91.986 ; v18(99.229,18.58) v18(99.229,16.04) v18(99.229,13.373) v18(99.229,10.96) 99.229,9.089 v2(99.331,8.988) 99.331,8.861 v2(99.873,8.319) v2(101.651,6.541) v2(106.697,6.541) 108.335,4.902 v1(108.335,4.475) v1(108.335,2.223) J8301.4@108.335,-0.605 ; v2(99.559,93.587) 97.959,91.986 97.934,91.986 ; 99.763,20.46 100.855,19.368 v18(100.855,18.675) v18(100.855,16.135) 100.855,13.595 J8300.9@101.855,12.595 101.388,12.128 101.388,9.182 v2(101.795,8.776) 102.099,8.776 v2(102.785,8.09) v2(105.452,8.09) v2(109.135,8.09) v2(110.931,6.294) 112.145,5.08 v1(112.145,4.775) v1(112.145,2.223) J8301.1@112.145,-0.605 ; 100.169,94.196 100.169,95.111 100.194,95.136 v2(100.194,95.187) 100.575,95.568 100.575,96.571 100.169,96.977 v2(99.851,96.977) ; 100.677,122.365 v18(100.677,125.006) v18(100.677,128.562) ; 104.03,151.219 101.388,148.578 v2(101.388,143.122) 101.388,142.38 100.677,141.669 v2(100.677,140.684) v18(100.677,135.604) v18(100.677,133.064) v18(100.677,130.524) v18(100.677,129.883) v18(100.677,128.562) ; v1(104.284,22.289) v1(106.316,20.257) v23(108.221,18.352) v23(108.221,17.289) v23(108.221,15.304) v23(108.221,14.749) 108.221,12.209 J8300.4@108.335,12.095 ; J8301.7@104.525,-0.605 v1(104.525,1.935) v1(104.525,2.35) v1(104.525,4.013) 103.755,4.783 v1(101.612,4.783) 100.911,4.783 v2(99.323,6.371) 97.527,8.167 v2(97.527,8.573) 97.527,9.081 ; v2(104.69,90.259) v2(105.147,90.259) 107.281,92.393 v2(107.281,93.587) v2(107.281,95.212) v2(107.281,96.728) v2(107.281,98.082) v2(107.281,102.35) v2(107.281,106.414) v2(107.281,108.954) v2(107.281,114.034) v2(107.281,114.542) v2(107.281,115.964) v2(108.856,117.539) ; v23(105.427,18.606) v23(105.427,17.63) v23(105.427,15.09) v23(105.427,14.669) 104.525,13.767 J8300.7@104.525,12.095 104.525,11.633 105.173,10.986 107.226,10.986 J8300.4@108.335,12.095 ; v1(106.875,145.53) 107.904,144.501 108.855,144.501 J5100.20@109.087,144.268 110.874,142.482 112.869,142.482 v2(114.19,141.16) v18(114.19,138.62) v18(114.19,137.097) ; v1(107.205,23.686) v1(109.001,21.89) v1(109.681,21.209) v23(112.145,18.745) v23(112.145,17.175) v23(112.145,14.796) J8300.1@112.145,12.095 111.036,10.986 109.444,10.986 J8300.4@108.335,12.095 ; v2(107.719,86.774) v2(109.515,88.57) 113.072,92.127 v2(113.072,93.587) v2(113.072,95.212) v2(113.072,96.728) v2(113.072,98.082) v2(113.072,101.029) v2(113.072,105.702) v2(113.072,113.119) v2(113.773,113.82) v2(119.162,119.209) v2(120.958,121.005) v1(125.163,125.21) v1(128.617,128.664) 129.938,129.985 v5(131.157,129.985) 132.275,129.985 ; 110.532,83.249 112.869,85.586 v2(112.869,85.992) v2(116.341,89.464) 118.152,91.275 v2(118.152,93.612) v2(118.152,95.238) ; v2(110.634,119.317) v2(111.142,119.825) v2(112.43,121.113) v2(113.072,121.755) v2(114.226,122.909) v18(121.41,130.093) v18(125.002,133.685) 125.366,134.049 v2(125.366,138.739) v2(125.366,143.819) 125.366,144.209 v2(125.163,144.412) ; R5114.2@116.875,135.42 v18(116.875,135.979) ; v2(118.152,98.082) v2(118.152,100.826) v2(118.152,105.906) v2(118.152,108.141) 118.152,110.478 v2(119.837,112.162) v2(121.633,113.958) v2(125.225,117.551) v2(127.021,119.347) v2(132.783,125.108) v2(134.922,125.108) v2(135.627,125.108) v2(137.462,125.108) v2(140.002,125.108) 141.317,125.108 v2(144.127,127.918) v1(151.311,135.102) v1(153.107,136.898) 154.322,138.113 v1(154.322,139.129) v9(154.322,141.669) ; v1(132.275,146.342) v2(132.275,142.685) v2(132.275,140.145) v18(132.275,137.605) v18(132.275,135.065) 132.275,129.985 ; v1(147.921,147.663) v1(147.921,145.326) v2(147.921,141.938) v1(147.921,139.398) 147.921,138.179 v2(146.841,137.099) v2(143.164,133.421) 139.727,129.985 v9(134.51,129.985) 132.275,129.985 ; v2(37.101,73.47) 38.498,72.073 39.387,72.073 ; 39.387,72.073 v1(39.615,72.073) 39.615,72.174 40.022,72.581 v1(40.149,72.581) ; 40.123,8.563 v2(40.123,10.503) v1(40.123,13.043) v23(40.123,15.888) ; v1(40.149,72.581) 40.403,72.835 v1(40.403,73.724) 41.749,75.07 v1(41.749,75.426) v2(41.749,80.607) v2(41.749,82.842) v2(41.749,83.554) v2(41.749,84.671) v2(41.749,85.408) 41.749,85.865 v2(52.722,96.838) v2(53.339,97.455) v2(54.518,98.634) v2(55.135,99.251) v2(55.135,100.267) v2(55.135,102.959) 55.135,103.751 55.155,103.772 55.135,103.793 55.135,104.204 ; 60.037,39.053 60.723,38.367 v2(60.723,32.617) v2(63.43,29.91) 63.965,29.375 63.965,29.029 v2(65.045,27.949) v2(66.841,26.153) v2(68.637,24.357) v2(69.892,23.102) v2(70.433,22.561) v1(72.229,20.765) ; 97.934,91.986 97.934,95.06 v2(99.851,96.977) ; v2(99.851,96.977) v2(101.731,98.857) 102.303,99.429 102.303,120.739 102.607,121.044 v18(102.607,122.771) v18(102.607,123.286) 102.607,127.14 v18(101.593,128.155) 101.185,128.562 v18(100.677,128.562)